# Altium PCB PA_8CH_CTRL.PcbDoc (part 3 of 3)
Units mil, origin at the board's own origin, x right, y up, seen from the top; angles counter-clockwise.
Board outline 10314.96 x 3582.68 mil, 2 copper layers (Top Layer, Bottom Layer); 762 components, 511 nets, 2388 pads, 40 vias.
Unrouted connection lines stored in the file: 1763.
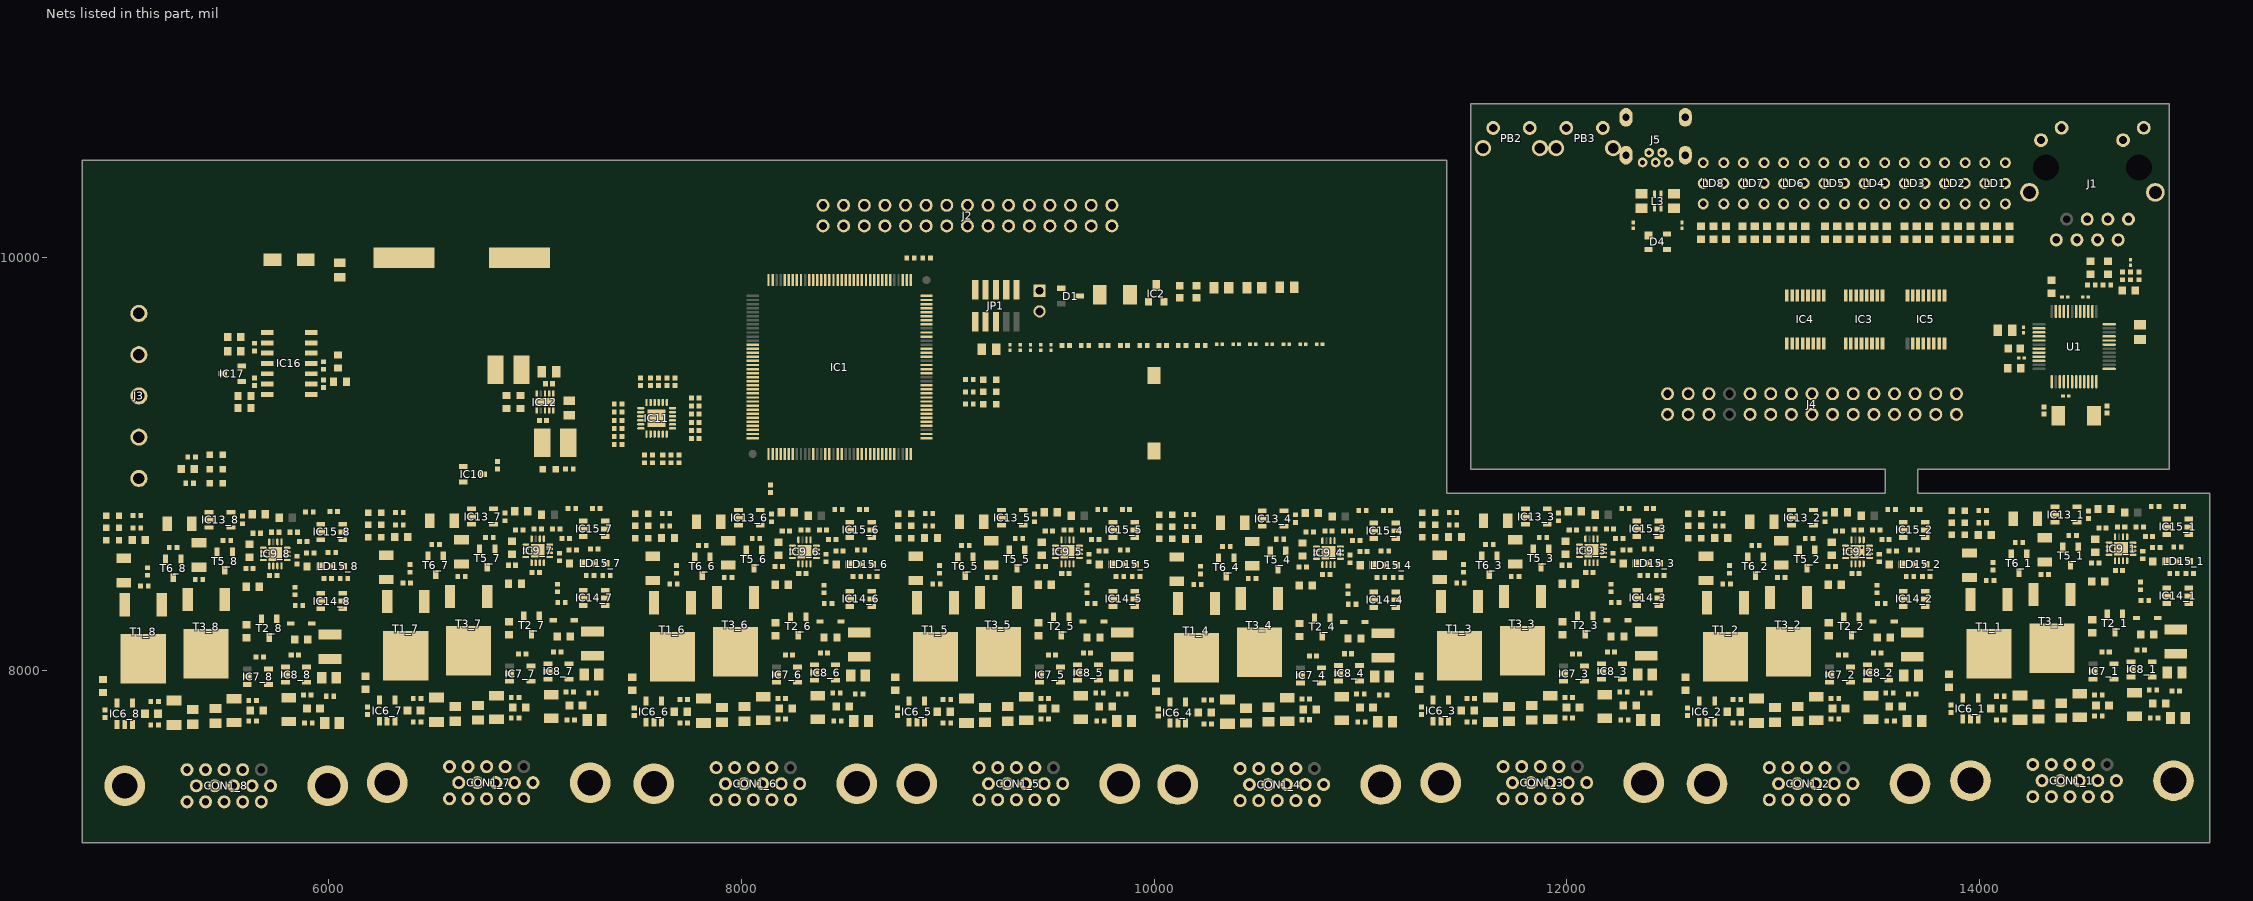
[diagram p3: the nets of this part, all layers, seen from the top]

## Part data (continued)
T2_1 T2_2 T2_3 T2_4 T2_5 T2_6 T2_7 T2_8 T5_1 T5_2 T5_3 T5_4 T5_5 T5_6 T5_7 T5_8 T6_1 T6_2 T6_3 T6_4 T6_5 T6_6 T6_7 T6_8: "N-CHANNEL MOSFET WITH DIODE"
U1: library part CMP-1775-00001-1, "Hardwired TCP/IP Embedded Ethernet Controller, 3.3 V, 25 MHz, -40 to 85 degC, 48-Pin LQFP, RoHS, Tray"
X1: library part X_CRYSTAL_SMD_5.0*3.2, "miniature crystal oscillator (Maritex)"

## Via types
v1: diameter 19.68, hole 11.81, Top Layer to Bottom Layer, 40 vias

## Nets (pads, with @x,y where several pads share a name; then routed paths per layer and width w, separated by ;. In a path a pad name is that pad's centre, name@x,y a point inside that pad or via, vN(x,y) a via of type N, cw(c..) or ccw(c..) an arc to the next point about the centre after c; other vN are vias at no path point)
ADC_IN0: CON1_8.5 IC1.34
ADC_IN1: CON1_8.10 IC1.35
ADC_IN2: CON1_7.5 IC1.36
ADC_IN3: CON1_7.10 IC1.37
ADC_IN4: CON1_6.5 IC1.18
ADC_IN5: CON1_6.10 IC1.19
ADC_IN6: CON1_5.5 IC1.20
ADC_IN7: CON1_5.10 IC1.21
ADC_IN8: CON1_4.5 IC1.22
ADC_IN9: CON1_4.10 IC1.13
ADC_IN10: CON1_3.5 IC1.26
ADC_IN11: CON1_3.10 IC1.27
ADC_IN12: CON1_2.5 IC1.28
ADC_IN13: CON1_2.10 IC1.29
ADC_IN14: CON1_1.5 IC1.14
ADC_IN15: CON1_1.10 IC1.15
ALERTN_CH0: IC1.77 IC9_8.2 LD15_8.1 R57_8.1
ALERTN_CH1: IC1.78 IC9_7.2 LD15_7.1 R57_7.1
ALERTN_CH2: IC1.79 IC9_6.2 LD15_6.1 R57_6.1
ALERTN_CH3: IC1.80 IC9_5.2 LD15_5.1 R57_5.1
ALERTN_CH4: IC1.81 IC9_4.2 LD15_4.1 R57_4.1
ALERTN_CH5: IC1.82 IC9_3.2 LD15_3.1 R57_3.1
ALERTN_CH6: IC1.85 IC9_2.2 LD15_2.1 R57_2.1
ALERTN_CH7: IC1.86 IC9_1.2 LD15_1.1 R57_1.1
EN_PWR_CH0: IC1.114 R85_8.2 R88_8.2
EN_PWR_CH1: IC1.115 R85_7.2 R88_7.2
EN_PWR_CH2: IC1.116 R85_6.2 R88_6.2
EN_PWR_CH3: IC1.117 R85_5.2 R88_5.2
EN_PWR_CH4: IC1.118 R85_4.2 R88_4.2
EN_PWR_CH5: IC1.119 R85_3.2 R88_3.2
EN_PWR_CH6: IC1.122 R85_2.2 R88_2.2
EN_PWR_CH7: IC1.123 R85_1.2 R88_1.2
GND: C1.2 C2.2 C3.2 C4.2 C5.2 C6.2 C7.2 C8.2 C9.2 C10.2 C11.2 C12.2 C13.2 C14.2 C15.2 C16.2 C17.1 C18.1 C21.1 C22.1 C23.2 C24.1 C25.2 C26.2 C27.2 C28.1 C29.2 C30.2 C31.2 C32_1.1 C32_2.1 C32_3.1 C32_4.1 C32_5.1 C32_6.1 C32_7.1 C32_8.1 C33_1.1 C33_2.1 C33_3.1 C33_4.1 C33_5.1 C33_6.1 C33_7.1 C33_8.1 C34_1.1 C34_2.1 C34_3.1 C34_4.1 C34_5.1 C34_6.1 C34_7.1 C34_8.1 C35_1.1 C35_2.1 C35_3.1 C35_4.1 C35_5.1 C35_6.1 C35_7.1 C35_8.1 C36_1.1 C36_2.1 C36_3.1 C36_4.1 C36_5.1 C36_6.1 C36_7.1 C36_8.1 C37_1.1 C37_2.1 C37_3.1 C37_4.1 C37_5.1 C37_6.1 C37_7.1 C37_8.1 C39_1.2 C39_2.2 C39_3.2 C39_4.2 C39_5.2 C39_6.2 C39_7.2 C39_8.2 C42_1.1 C42_2.1 C42_3.1 C42_4.1 C42_5.1 C42_6.1 C42_7.1 C42_8.1 C43_1.1 C43_2.1 C43_3.1 C43_4.1 C43_5.1 C43_6.1 C43_7.1 C43_8.1 C44_1.2 C44_2.2 C44_3.2 C44_4.2 C44_5.2 C44_6.2 C44_7.2 C44_8.2 C45_1.1 C45_2.1 C45_3.1 C45_4.1 C45_5.1 C45_6.1 C45_7.1 C45_8.1 C46_1.2 C46_2.2 C46_3.2 C46_4.2 C46_5.2 C46_6.2 C46_7.2 C46_8.2 C47_1.1 C47_2.1 C47_3.1 C47_4.1 C47_5.1 C47_6.1 C47_7.1 C47_8.1 C48_1.1 C48_2.1 C48_3.1 C48_4.1 C48_5.1 C48_6.1 C48_7.1 C48_8.1 C49_1.2 C49_2.2 C49_3.2 C49_4.2 C49_5.2 C49_6.2 C49_7.2 C49_8.2 C50_1.2 C50_2.2 C50_3.2 C50_4.2 C50_5.2 C50_6.2 C50_7.2 C50_8.2 C51_1.2 C51_2.2 C51_3.2 C51_4.2 C51_5.2 C51_6.2 C51_7.2 C51_8.2 C52.2 C53.2 C54.2 C55.1 C56.1 C57.1 C58.1 C59.2 C60_1.1 C60_2.1 C60_3.1 C60_4.1 C60_5.1 C60_6.1 C60_7.1 C60_8.1 C61.2 C62.1 C63.1 CON1_1.0 CON1_1.6 CON1_1.11 CON1_2.0 CON1_2.6 CON1_2.11 CON1_3.0 CON1_3.6 CON1_3.11 CON1_4.0 CON1_4.6 CON1_4.11 CON1_5.0 CON1_5.6 CON1_5.11 CON1_6.0 CON1_6.6 CON1_6.11 CON1_7.0 CON1_7.6 CON1_7.11 CON1_8.0 CON1_8.6 CON1_8.11 D4.1 IC1.16 IC1.31 IC1.38 IC1.51 IC1.61 IC1.83 IC1.94 IC1.107 IC1.120 IC1.130 IC2.1 IC3.8 IC4.8 IC5.8 IC6_1.2 IC6_2.2 IC6_3.2 IC6_4.2 IC6_5.2 IC6_6.2 IC6_7.2 IC6_8.2 IC7_1.2 IC7_2.2 IC7_3.2 IC7_4.2 IC7_5.2 IC7_6.2 IC7_7.2 IC7_8.2 IC8_1.2 IC8_2.2 IC8_3.2 IC8_4.2 IC8_5.2 IC8_6.2 IC8_7.2 IC8_8.2 IC9_1.6 IC9_1.8 IC9_1.17 IC9_2.6 IC9_2.8 IC9_2.17 IC9_3.6 IC9_3.8 IC9_3.17 IC9_4.6 IC9_4.8 IC9_4.17 IC9_5.6 IC9_5.8 IC9_5.17 IC9_6.6 IC9_6.8 IC9_6.17 IC9_7.6 IC9_7.8 IC9_7.17 IC9_8.6 IC9_8.8 IC9_8.17 IC10.3 IC11.9 IC11.25 IC12.1 IC12.6 IC12.11 IC13_1.1 IC13_2.1 IC13_3.1 IC13_4.1 IC13_5.1 IC13_6.1 IC13_7.1 IC13_8.1 IC14_1.2 IC14_2.2 IC14_3.2 IC14_4.2 IC14_5.2 IC14_6.2 IC14_7.2 IC14_8.2 IC15_1.2 IC15_2.2 IC15_3.2 IC15_4.2 IC15_5.2 IC15_6.2 IC15_7.2 IC15_8.2 IC16.11 IC16.12 IC17.3 J1.8 J1.9 J1.10 J2.1 J2.3 J2.5 J2.7 J2.9 J2.11 J2.13 J2.15 J2.25 J2.30 J3.2 J3.3 J4.1 J4.3 J4.5 J4.7 J4.9 J4.11 J4.13 J4.15 J4.25 J4.30 J5.5 J5.6 JP1.3 JP1.5 LD1.1 LD1.3 LD1.5 LD2.1 LD2.3 LD2.5 LD3.1 LD3.3 LD3.5 LD4.1 LD4.3 LD4.5 LD5.1 LD5.3 LD5.5 LD6.1 LD6.3 LD6.5 LD7.1 LD7.3 LD7.5 LD8.1 LD8.3 LD8.5 LD9.1 LD10.1 LD11.1 LD12_1.2 LD12_2.2 LD12_3.2 LD12_4.2 LD12_5.2 LD12_6.2 LD12_7.2 LD12_8.2 LD13_1.1 LD13_2.1 LD13_3.1 LD13_4.1 LD13_5.1 LD13_6.1 LD13_7.1 LD13_8.1 LD14_1.1 LD14_2.1 LD14_3.1 LD14_4.1 LD14_5.1 LD14_6.1 LD14_7.1 LD14_8.1 LD16.1 LD17.1 LD18.2 LD19.1 PB1.2 PB2.2 PB2.3 PB2.4 PB3.2 PB3.3 PB3.4 R2.1 R4.2 R10.2 R50_1.2 R50_2.2 R50_3.2 R50_4.2 R50_5.2 R50_6.2 R50_7.2 R50_8.2 R51_1.1 R51_2.1 R51_3.1 R51_4.1 R51_5.1 R51_6.1 R51_7.1 R51_8.1 R52_1.1 R52_2.1 R52_3.1 R52_4.1 R52_5.1 R52_6.1 R52_7.1 R52_8.1 R59_1.2 R59_2.2 R59_3.2 R59_4.2 R59_5.2 R59_6.2 R59_7.2 R59_8.2 R66.1 R67.1 R69.1 R82.1 R83.1 R85_1.1 R85_2.1 R85_3.1 R85_4.1 R85_5.1 R85_6.1 R85_7.1 R85_8.1 R90_1.1 R90_2.1 R90_3.1 R90_4.1 R90_5.1 R90_6.1 R90_7.1 R90_8.1 R95.2 R97.1 R99.1 T2_1.2 T2_2.2 T2_3.2 T2_4.2 T2_5.2 T2_6.2 T2_7.2 T2_8.2 T5_1.2 T5_2.2 T5_3.2 T5_4.2 T5_5.2 T5_6.2 T5_7.2 T5_8.2 T6_1.2 T6_2.2 T6_3.2 T6_4.2 T6_5.2 T6_6.2 T6_7.2 T6_8.2 U1.3 U1.9 U1.11 U1.14 U1.16 U1.19 U1.29 U1.48
  other v1: 13390.32,8555.32 13429.68,8555.32 13410,8575 13390.32,8594.68 13429.68,8594.68
I2C0_SCL: CON1_8.9 IC9_8.3 IC11.2 IC15_8.5 R63.1
I2C0_SDA: CON1_8.4 IC9_8.4 IC11.1 IC15_8.4 R61.1
I2C1_SCL: CON1_7.9 IC9_7.3 IC11.4 IC15_7.5 R65.1
I2C1_SDA: CON1_7.4 IC9_7.4 IC11.3 IC15_7.4 R64.1
I2C2_SCL: CON1_6.9 IC9_6.3 IC11.6 IC15_6.5 R70.1
I2C2_SDA: CON1_6.4 IC9_6.4 IC11.5 IC15_6.4 R68.1
I2C3_SCL: CON1_5.9 IC9_5.3 IC11.8 IC15_5.5 R72.1
I2C3_SDA: CON1_5.4 IC9_5.4 IC11.7 IC15_5.4 R71.1
I2C4_SCL: CON1_4.9 IC9_4.3 IC11.11 IC15_4.5 R74.1
I2C4_SDA: CON1_4.4 IC9_4.4 IC11.10 IC15_4.4 R73.1
I2C5_SCL: CON1_3.9 IC9_3.3 IC11.13 IC15_3.5 R76.1
I2C5_SDA: CON1_3.4 IC9_3.4 IC11.12 IC15_3.4 R75.1
I2C6_SCL: CON1_2.9 IC9_2.3 IC11.15 IC15_2.5 R78.1
I2C6_SDA: CON1_2.4 IC9_2.4 IC11.14 IC15_2.4 R77.1
I2C7_SCL: CON1_1.9 IC9_1.3 IC11.17 IC15_1.5 R80.1
I2C7_SDA: CON1_1.4 IC9_1.4 IC11.16 IC15_1.4 R79.1
I2C_SCL: IC1.136 IC11.19 J2.23 R62.2
I2C_SDA: IC1.137 IC11.20 J2.24 R60.2
INT: J4.12 U1.36
LED1: IC1.98 R101.1
LED2: IC1.99 R102.1
LED3: IC1.111 R103.1
LED_CS: IC3.12 IC4.12 IC5.12 J4.14
LED_GREEN_CH0: IC5.15 R13.1
LED_GREEN_CH1: IC5.1 R16.1
LED_GREEN_CH2: IC5.2 R19.1
LED_GREEN_CH3: IC5.3 R22.1
LED_GREEN_CH4: IC5.4 R25.1
LED_GREEN_CH5: IC5.5 R28.1
LED_GREEN_CH6: IC5.6 R31.1
LED_GREEN_CH7: IC5.7 R34.1
LED_OEN: IC3.13 IC4.13 IC5.13 J4.18
LED_RED_CH0: IC3.15 R15.1
LED_RED_CH1: IC3.1 R18.1
LED_RED_CH2: IC3.2 R21.1
LED_RED_CH3: IC3.3 R24.1
LED_RED_CH4: IC3.4 R27.1
LED_RED_CH5: IC3.5 R30.1
LED_RED_CH6: IC3.6 R33.1
LED_RED_CH7: IC3.7 R36.1
LED_SCK: IC3.11 IC4.11 IC5.11 J4.16
LED_SDI: IC3.14 J4.17
LED_YELLOW_CH0: IC4.15 R14.1
LED_YELLOW_CH1: IC4.1 R17.1
LED_YELLOW_CH2: IC4.2 R20.1
LED_YELLOW_CH3: IC4.3 R23.1
LED_YELLOW_CH4: IC4.4 R26.1
LED_YELLOW_CH5: IC4.5 R29.1
LED_YELLOW_CH6: IC4.6 R32.1
LED_YELLOW_CH7: IC4.7 R35.1
MEAS_I_N8V_1: C46_1.1 IC9_1.10 R55_1.2
MEAS_I_N8V_2: C46_2.1 IC9_2.10 R55_2.2
MEAS_I_N8V_3: C46_3.1 IC9_3.10 R55_3.2
MEAS_I_N8V_4: C46_4.1 IC9_4.10 R55_4.2
MEAS_I_N8V_5: C46_5.1 IC9_5.10 R55_5.2
MEAS_I_N8V_6: C46_6.1 IC9_6.10 R55_6.2
MEAS_I_N8V_7: C46_7.1 IC9_7.10 R55_7.2
MEAS_I_N8V_8: C46_8.1 IC9_8.10 R55_8.2
MEAS_I_P6V_1: C44_1.1 IC9_1.11 R53_1.2
MEAS_I_P6V_2: C44_2.1 IC9_2.11 R53_2.2
MEAS_I_P6V_3: C44_3.1 IC9_3.11 R53_3.2
MEAS_I_P6V_4: C44_4.1 IC9_4.11 R53_4.2
MEAS_I_P6V_5: C44_5.1 IC9_5.11 R53_5.2
MEAS_I_P6V_6: C44_6.1 IC9_6.11 R53_6.2
MEAS_I_P6V_7: C44_7.1 IC9_7.11 R53_7.2
MEAS_I_P6V_8: C44_8.1 IC9_8.11 R53_8.2
MEAS_I_P29V_1: C39_1.1 IC9_1.12 R45_1.2
MEAS_I_P29V_2: C39_2.1 IC9_2.12 R45_2.2
MEAS_I_P29V_3: C39_3.1 IC9_3.12 R45_3.2
MEAS_I_P29V_4: C39_4.1 IC9_4.12 R45_4.2
MEAS_I_P29V_5: C39_5.1 IC9_5.12 R45_5.2
MEAS_I_P29V_6: C39_6.1 IC9_6.12 R45_6.2
MEAS_I_P29V_7: C39_7.1 IC9_7.12 R45_7.2
MEAS_I_P29V_8: C39_8.1 IC9_8.12 R45_8.2
MEAS_P3V3MP_1: C49_1.1 IC9_1.9 R58_1.1 R59_1.1
MEAS_P3V3MP_2: C49_2.1 IC9_2.9 R58_2.1 R59_2.1
MEAS_P3V3MP_3: C49_3.1 IC9_3.9 R58_3.1 R59_3.1
MEAS_P3V3MP_4: C49_4.1 IC9_4.9 R58_4.1 R59_4.1
MEAS_P3V3MP_5: C49_5.1 IC9_5.9 R58_5.1 R59_5.1
MEAS_P3V3MP_6: C49_6.1 IC9_6.9 R58_6.1 R59_6.1
MEAS_P3V3MP_7: C49_7.1 IC9_7.9 R58_7.1 R59_7.1
MEAS_P3V3MP_8: C49_8.1 IC9_8.9 R58_8.1 R59_8.1
N8V0: C42_1.2 C42_2.2 C42_3.2 C42_4.2 C42_5.2 C42_6.2 C42_7.2 C42_8.2 IC13_1.2 IC13_2.2 IC13_3.2 IC13_4.2 IC13_5.2 IC13_6.2 IC13_7.2 IC13_8.2 J3.1 R91.2 R108.1
N8V0_CH_1: C33_1.2 CON1_1.12 R38_1.2 R47_1.2
N8V0_CH_2: C33_2.2 CON1_2.12 R38_2.2 R47_2.2
N8V0_CH_3: C33_3.2 CON1_3.12 R38_3.2 R47_3.2
N8V0_CH_4: C33_4.2 CON1_4.12 R38_4.2 R47_4.2
N8V0_CH_5: C33_5.2 CON1_5.12 R38_5.2 R47_5.2
N8V0_CH_6: C33_6.2 CON1_6.12 R38_6.2 R47_6.2
N8V0_CH_7: C33_7.2 CON1_7.12 R38_7.2 R47_7.2
N8V0_CH_8: C33_8.2 CON1_8.12 R38_8.2 R47_8.2
NetC1_1: C1.1 FB1.1 IC1.33
NetC2_1: C2.1 FB2.1 IC1.32
NetC3_1: C3.1 IC1.23 Q1.1
NetC4_1: C4.1 IC1.24 Q1.2
NetC17_2: C17.2 IC1.106
NetC18_2: C18.2 IC1.71
NetC19_2: C19.2 J1.4
NetC20_2: C20.2 J1.6
NetC21_2: C21.2 U1.30 X1.1
NetC22_2: C22.2 U1.31 X1.2
NetC23_1: C23.1 U1.20
NetC24_2: C24.2 U1.22
NetC25_1: C25.1 J1.2 R9.2
NetC28_2: C28.2 J1.5 R11.1 R12.1
NetC38_1_1: C38_1.1 IC6_1.4 R43_1.1
NetC38_1_2: C38_1.2 IC6_1.3 R44_1.1
NetC38_2_1: C38_2.1 IC6_2.4 R43_2.1
NetC38_2_2: C38_2.2 IC6_2.3 R44_2.1
NetC38_3_1: C38_3.1 IC6_3.4 R43_3.1
NetC38_3_2: C38_3.2 IC6_3.3 R44_3.1
NetC38_4_1: C38_4.1 IC6_4.4 R43_4.1
NetC38_4_2: C38_4.2 IC6_4.3 R44_4.1
NetC38_5_1: C38_5.1 IC6_5.4 R43_5.1
NetC38_5_2: C38_5.2 IC6_5.3 R44_5.1
NetC38_6_1: C38_6.1 IC6_6.4 R43_6.1
NetC38_6_2: C38_6.2 IC6_6.3 R44_6.1
NetC38_7_1: C38_7.1 IC6_7.4 R43_7.1
NetC38_7_2: C38_7.2 IC6_7.3 R44_7.1
NetC38_8_1: C38_8.1 IC6_8.4 R43_8.1
NetC38_8_2: C38_8.2 IC6_8.3 R44_8.1
NetC40_1_1: C40_1.1 IC8_1.3 R46_1.1
NetC40_1_2: C40_1.2 IC8_1.4 R47_1.1
NetC40_2_1: C40_2.1 IC8_2.3 R46_2.1
NetC40_2_2: C40_2.2 IC8_2.4 R47_2.1
NetC40_3_1: C40_3.1 IC8_3.3 R46_3.1
NetC40_3_2: C40_3.2 IC8_3.4 R47_3.1
NetC40_4_1: C40_4.1 IC8_4.3 R46_4.1
NetC40_4_2: C40_4.2 IC8_4.4 R47_4.1
NetC40_5_1: C40_5.1 IC8_5.3 R46_5.1
NetC40_5_2: C40_5.2 IC8_5.4 R47_5.1
NetC40_6_1: C40_6.1 IC8_6.3 R46_6.1
NetC40_6_2: C40_6.2 IC8_6.4 R47_6.1
NetC40_7_1: C40_7.1 IC8_7.3 R46_7.1
NetC40_7_2: C40_7.2 IC8_7.4 R47_7.1
NetC40_8_1: C40_8.1 IC8_8.3 R46_8.1
NetC40_8_2: C40_8.2 IC8_8.4 R47_8.1
NetC41_1_1: C41_1.1 IC7_1.4 R48_1.1
NetC41_1_2: C41_1.2 IC7_1.3 R49_1.1
NetC41_2_1: C41_2.1 IC7_2.4 R48_2.1
NetC41_2_2: C41_2.2 IC7_2.3 R49_2.1
NetC41_3_1: C41_3.1 IC7_3.4 R48_3.1
NetC41_3_2: C41_3.2 IC7_3.3 R49_3.1
NetC41_4_1: C41_4.1 IC7_4.4 R48_4.1
NetC41_4_2: C41_4.2 IC7_4.3 R49_4.1
NetC41_5_1: C41_5.1 IC7_5.4 R48_5.1
NetC41_5_2: C41_5.2 IC7_5.3 R49_5.1
NetC41_6_1: C41_6.1 IC7_6.4 R48_6.1
NetC41_6_2: C41_6.2 IC7_6.3 R49_6.1
NetC41_7_1: C41_7.1 IC7_7.4 R48_7.1
NetC41_7_2: C41_7.2 IC7_7.3 R49_7.1
NetC41_8_1: C41_8.1 IC7_8.4 R48_8.1
NetC41_8_2: C41_8.2 IC7_8.3 R49_8.1
NetC48_1_2: C48_1.2 IC9_1.14 R56_1.2
NetC48_2_2: C48_2.2 IC9_2.14 R56_2.2
NetC48_3_2: C48_3.2 IC9_3.14 R56_3.2
NetC48_4_2: C48_4.2 IC9_4.14 R56_4.2
NetC48_5_2: C48_5.2 IC9_5.14 R56_5.2
NetC48_6_2: C48_6.2 IC9_6.14 R56_6.2
NetC48_7_2: C48_7.2 IC9_7.14 R56_7.2
NetC48_8_2: C48_8.2 IC9_8.14 R56_8.2
NetC54_1: C54.1 C61.1 D3.1 L1.1
NetC57_2: C57.2 C58.2 IC12.2 IC12.3 L1.2
NetC62_2: C62.2 FB5.1 J4.29
NetC63_2: C63.2 D4.4 FB4.1 J4.26
NetCON1_1_14: CON1_1.14 R84_1.1 T2_1.3
NetCON1_2_14: CON1_2.14 R84_2.1 T2_2.3
NetCON1_3_14: CON1_3.14 R84_3.1 T2_3.3
NetCON1_4_14: CON1_4.14 R84_4.1 T2_4.3
NetCON1_5_14: CON1_5.14 R84_5.1 T2_5.3
NetCON1_6_14: CON1_6.14 R84_6.1 T2_6.3
NetCON1_7_14: CON1_7.14 R84_7.1 T2_7.3
NetCON1_8_14: CON1_8.14 R84_8.1 T2_8.3
NetD1_3: D1.3 IC2.2
NetD2_1_1: D2_1.1 D2_2.1 D2_3.1 D2_4.1 D2_5.1 D2_6.1 D2_7.1 D2_8.1 IC1.89 IC16.1 IC16.2 IC16.13 IC16.14 R92.2
NetD2_1_2: D2_1.2 IC14_1.3 R88_1.1
NetD2_2_2: D2_2.2 IC14_2.3 R88_2.1
NetD2_3_2: D2_3.2 IC14_3.3 R88_3.1
NetD2_4_2: D2_4.2 IC14_4.3 R88_4.1
NetD2_5_2: D2_5.2 IC14_5.3 R88_5.1
NetD2_6_2: D2_6.2 IC14_6.3 R88_6.1
NetD2_7_2: D2_7.2 IC14_7.3 R88_7.1
NetD2_8_2: D2_8.2 IC14_8.3 R88_8.1
NetD4_2: D4.2 J4.28 L3.4
NetD4_3: D4.3 J4.27 L3.1
NetFB4_2: FB4.2 J5.1
NetFB5_2: FB5.2 J5.4
NetIC1_40: IC1.40 J2.2
NetIC1_41: IC1.41 J2.4
NetIC1_42: IC1.42 J2.8
NetIC1_43: IC1.43 J2.6
NetIC1_48: IC1.48 R2.2
NetIC1_73: IC1.73 J2.14
NetIC1_74: IC1.74 J2.16
NetIC1_76: IC1.76 J2.17
NetIC1_90: IC1.90 J2.10
NetIC1_91: IC1.91 J2.12
NetIC1_101: IC1.101 R3.1
NetIC1_102: IC1.102 J2.29
NetIC1_103: IC1.103 J2.27
NetIC1_104: IC1.104 J2.28
NetIC1_138: IC1.138 JP2.2 R4.1
NetIC1_139: IC1.139 J2.18
NetIC1_143: IC1.143 R5.2
NetIC3_9: IC3.9 IC4.14
NetIC4_9: IC4.9 IC5.14
NetIC6_1_1: IC6_1.1 R45_1.1
NetIC6_2_1: IC6_2.1 R45_2.1
NetIC6_3_1: IC6_3.1 R45_3.1
NetIC6_4_1: IC6_4.1 R45_4.1
NetIC6_5_1: IC6_5.1 R45_5.1
NetIC6_6_1: IC6_6.1 R45_6.1
NetIC6_7_1: IC6_7.1 R45_7.1
NetIC6_8_1: IC6_8.1 R45_8.1
NetIC8_1_1: IC8_1.1 R55_1.1
NetIC8_2_1: IC8_2.1 R55_2.1
NetIC8_3_1: IC8_3.1 R55_3.1
NetIC8_4_1: IC8_4.1 R55_4.1
NetIC8_5_1: IC8_5.1 R55_5.1
NetIC8_6_1: IC8_6.1 R55_6.1
NetIC8_7_1: IC8_7.1 R55_7.1
NetIC8_8_1: IC8_8.1 R55_8.1
NetIC9_1_13: IC9_1.13 R56_1.1
NetIC9_2_13: IC9_2.13 R56_2.1
NetIC9_3_13: IC9_3.13 R56_3.1
NetIC9_4_13: IC9_4.13 R56_4.1
NetIC9_5_13: IC9_5.13 R56_5.1
NetIC9_6_13: IC9_6.13 R56_6.1
NetIC9_7_13: IC9_7.13 R56_7.1
NetIC9_8_13: IC9_8.13 R56_8.1
NetIC11_18: IC11.18 R66.2
NetIC11_22: IC11.22 R69.2
NetIC11_23: IC11.23 R67.2
NetIC12_5: IC12.5 R81.1 R82.2
NetIC12_9: IC12.9 L2.1
NetIC13_1_3: IC13_1.3 R54_1.2
NetIC13_1_4: IC13_1.4 R86_1.1 R87_1.2
NetIC13_1_5: IC13_1.5 R38_1.1 R46_1.2 R86_1.2 R104_1.1
NetIC13_2_3: IC13_2.3 R54_2.2
NetIC13_2_4: IC13_2.4 R86_2.1 R87_2.2
NetIC13_2_5: IC13_2.5 R38_2.1 R46_2.2 R86_2.2 R104_2.1
NetIC13_3_3: IC13_3.3 R54_3.2
NetIC13_3_4: IC13_3.4 R86_3.1 R87_3.2
NetIC13_3_5: IC13_3.5 R38_3.1 R46_3.2 R86_3.2 R104_3.1
NetIC13_4_3: IC13_4.3 R54_4.2
NetIC13_4_4: IC13_4.4 R86_4.1 R87_4.2
NetIC13_4_5: IC13_4.5 R38_4.1 R46_4.2 R86_4.2 R104_4.1
NetIC13_5_3: IC13_5.3 R54_5.2
NetIC13_5_4: IC13_5.4 R86_5.1 R87_5.2
NetIC13_5_5: IC13_5.5 R38_5.1 R46_5.2 R86_5.2 R104_5.1
NetIC13_6_3: IC13_6.3 R54_6.2
NetIC13_6_4: IC13_6.4 R86_6.1 R87_6.2
NetIC13_6_5: IC13_6.5 R38_6.1 R46_6.2 R86_6.2 R104_6.1
NetIC13_7_3: IC13_7.3 R54_7.2
NetIC13_7_4: IC13_7.4 R86_7.1 R87_7.2
NetIC13_7_5: IC13_7.5 R38_7.1 R46_7.2 R86_7.2 R104_7.1
NetIC13_8_3: IC13_8.3 R54_8.2
NetIC13_8_4: IC13_8.4 R86_8.1 R87_8.2
NetIC13_8_5: IC13_8.5 R38_8.1 R46_8.2 R86_8.2 R104_8.1
NetIC14_1_4: IC14_1.4 R52_1.2 T6_1.1
NetIC14_1_5: IC14_1.5 R51_1.2 T5_1.1
NetIC14_1_6: IC14_1.6 R54_1.1
NetIC14_2_4: IC14_2.4 R52_2.2 T6_2.1
NetIC14_2_5: IC14_2.5 R51_2.2 T5_2.1
NetIC14_2_6: IC14_2.6 R54_2.1
NetIC14_3_4: IC14_3.4 R52_3.2 T6_3.1
NetIC14_3_5: IC14_3.5 R51_3.2 T5_3.1
NetIC14_3_6: IC14_3.6 R54_3.1
NetIC14_4_4: IC14_4.4 R52_4.2 T6_4.1
NetIC14_4_5: IC14_4.5 R51_4.2 T5_4.1
NetIC14_4_6: IC14_4.6 R54_4.1
NetIC14_5_4: IC14_5.4 R52_5.2 T6_5.1
NetIC14_5_5: IC14_5.5 R51_5.2 T5_5.1
NetIC14_5_6: IC14_5.6 R54_5.1
NetIC14_6_4: IC14_6.4 R52_6.2 T6_6.1
NetIC14_6_5: IC14_6.5 R51_6.2 T5_6.1
NetIC14_6_6: IC14_6.6 R54_6.1
NetIC14_7_4: IC14_7.4 R52_7.2 T6_7.1
NetIC14_7_5: IC14_7.5 R51_7.2 T5_7.1
NetIC14_7_6: IC14_7.6 R54_7.1
NetIC14_8_4: IC14_8.4 R52_8.2 T6_8.1
NetIC14_8_5: IC14_8.5 R51_8.2 T5_8.1
NetIC14_8_6: IC14_8.6 R54_8.1
NetIC15_1_1: IC15_1.1 R87_1.1 R89_1.1
NetIC15_1_6: IC15_1.6 R90_1.2
NetIC15_2_1: IC15_2.1 R87_2.1 R89_2.1
NetIC15_2_6: IC15_2.6 R90_2.2
NetIC15_3_1: IC15_3.1 R87_3.1 R89_3.1
NetIC15_3_6: IC15_3.6 R90_3.2
NetIC15_4_1: IC15_4.1 R87_4.1 R89_4.1
NetIC15_4_6: IC15_4.6 R90_4.2
NetIC15_5_1: IC15_5.1 R87_5.1 R89_5.1
NetIC15_5_6: IC15_5.6 R90_5.2
NetIC15_6_1: IC15_6.1 R87_6.1 R89_6.1
NetIC15_6_6: IC15_6.6 R90_6.2
NetIC15_7_1: IC15_7.1 R87_7.1 R89_7.1
NetIC15_7_6: IC15_7.6 R90_7.2
NetIC15_8_1: IC15_8.1 R87_8.1 R89_8.1
NetIC15_8_6: IC15_8.6 R90_8.2
NetIC16_5: IC16.5 R94.2 R95.1
NetIC16_7: IC16.7 R96.1 R97.2
NetIC16_9: IC16.9 R98.1 R99.2
NetIC16_10: IC16.10 R91.1 R93.1
NetJ2_26: J2.26 R3.2
NetJ4_19: J4.19 PB2.1
NetJ4_20: J4.20 PB3.1
NetJ5_2: J5.2 L3.2
NetJ5_3: J5.3 L3.3
NetLD1_2: LD1.2 R13.2
NetLD1_4: LD1.4 R14.2
NetLD1_6: LD1.6 R15.2
NetLD2_2: LD2.2 R16.2
NetLD2_4: LD2.4 R17.2
NetLD2_6: LD2.6 R18.2
NetLD3_2: LD3.2 R19.2
NetLD3_4: LD3.4 R20.2
NetLD3_6: LD3.6 R21.2
NetLD4_2: LD4.2 R22.2
NetLD4_4: LD4.4 R23.2
NetLD4_6: LD4.6 R24.2
NetLD5_2: LD5.2 R25.2
NetLD5_4: LD5.4 R26.2
NetLD5_6: LD5.6 R27.2
NetLD6_2: LD6.2 R28.2
NetLD6_4: LD6.4 R29.2
NetLD6_6: LD6.6 R30.2
NetLD7_2: LD7.2 R31.2
NetLD7_4: LD7.4 R32.2
NetLD7_6: LD7.6 R33.2
NetLD8_2: LD8.2 R34.2
NetLD8_4: LD8.4 R35.2
NetLD8_6: LD8.6 R36.2
NetLD9_2: LD9.2 R101.2
NetLD10_2: LD10.2 R102.2
NetLD11_2: LD11.2 R103.2
NetLD12_1_1: LD12_1.1 R104_1.2
NetLD12_2_1: LD12_2.1 R104_2.2
NetLD12_3_1: LD12_3.1 R104_3.2
NetLD12_4_1: LD12_4.1 R104_4.2
NetLD12_5_1: LD12_5.1 R104_5.2
NetLD12_6_1: LD12_6.1 R104_6.2
NetLD12_7_1: LD12_7.1 R104_7.2
NetLD12_8_1: LD12_8.1 R104_8.2
NetLD13_1_2: LD13_1.2 R105_1.1
NetLD13_2_2: LD13_2.2 R105_2.1
NetLD13_3_2: LD13_3.2 R105_3.1
NetLD13_4_2: LD13_4.2 R105_4.1
NetLD13_5_2: LD13_5.2 R105_5.1
NetLD13_6_2: LD13_6.2 R105_6.1
NetLD13_7_2: LD13_7.2 R105_7.1
NetLD13_8_2: LD13_8.2 R105_8.1
NetLD14_1_2: LD14_1.2 R106_1.2
NetLD14_2_2: LD14_2.2 R106_2.2
NetLD14_3_2: LD14_3.2 R106_3.2
NetLD14_4_2: LD14_4.2 R106_4.2
NetLD14_5_2: LD14_5.2 R106_5.2
NetLD14_6_2: LD14_6.2 R106_6.2
NetLD14_7_2: LD14_7.2 R106_7.2
NetLD14_8_2: LD14_8.2 R106_8.2
NetLD15_1_2: LD15_1.2 R107_1.1
NetLD15_2_2: LD15_2.2 R107_2.1
NetLD15_3_2: LD15_3.2 R107_3.1
NetLD15_4_2: LD15_4.2 R107_4.1
NetLD15_5_2: LD15_5.2 R107_5.1
NetLD15_6_2: LD15_6.2 R107_6.1
NetLD15_7_2: LD15_7.2 R107_7.1
NetLD15_8_2: LD15_8.2 R107_8.1
NetLD16_2: LD16.2 R109.2
NetLD17_2: LD17.2 R110.1
NetLD18_1: LD18.1 R108.2
NetLD19_2: LD19.2 R111.1
NetR10_1: R10.1 U1.10
NetR37_1_2: R37_1.2 R44_1.2 R105_1.2 T1_1.3
NetR37_2_2: R37_2.2 R44_2.2 R105_2.2 T1_2.3
NetR37_3_2: R37_3.2 R44_3.2 R105_3.2 T1_3.3
NetR37_4_2: R37_4.2 R44_4.2 R105_4.2 T1_4.3
NetR37_5_2: R37_5.2 R44_5.2 R105_5.2 T1_5.3
NetR37_6_2: R37_6.2 R44_6.2 R105_6.2 T1_6.3
NetR37_7_2: R37_7.2 R44_7.2 R105_7.2 T1_7.3
NetR37_8_2: R37_8.2 R44_8.2 R105_8.2 T1_8.3
NetR39_1_2: R39_1.2 R49_1.2 R106_1.1 T3_1.3
NetR39_2_2: R39_2.2 R49_2.2 R106_2.1 T3_2.3
NetR39_3_2: R39_3.2 R49_3.2 R106_3.1 T3_3.3
NetR39_4_2: R39_4.2 R49_4.2 R106_4.1 T3_4.3
NetR39_5_2: R39_5.2 R49_5.2 R106_5.1 T3_5.3
NetR39_6_2: R39_6.2 R49_6.2 R106_6.1 T3_6.3
NetR39_7_2: R39_7.2 R49_7.2 R106_7.1 T3_7.3
NetR39_8_2: R39_8.2 R49_8.2 R106_8.1 T3_8.3
NetR40_1_1: R40_1.1 R41_1.2 T1_1.1
NetR40_2_1: R40_2.1 R41_2.2 T1_2.1
NetR40_3_1: R40_3.1 R41_3.2 T1_3.1
NetR40_4_1: R40_4.1 R41_4.2 T1_4.1
NetR40_5_1: R40_5.1 R41_5.2 T1_5.1
NetR40_6_1: R40_6.1 R41_6.2 T1_6.1
NetR40_7_1: R40_7.1 R41_7.2 T1_7.1
NetR40_8_1: R40_8.1 R41_8.2 T1_8.1
NetR41_1_1: R41_1.1 T2_1.1 T6_1.3
NetR41_2_1: R41_2.1 T2_2.1 T6_2.3
NetR41_3_1: R41_3.1 T2_3.1 T6_3.3
NetR41_4_1: R41_4.1 T2_4.1 T6_4.3
NetR41_5_1: R41_5.1 T2_5.1 T6_5.3
NetR41_6_1: R41_6.1 T2_6.1 T6_6.3
NetR41_7_1: R41_7.1 T2_7.1 T6_7.3
NetR41_8_1: R41_8.1 T2_8.1 T6_8.3
NetR42_1_2: R42_1.2 T3_1.1 T5_1.3
NetR42_2_2: R42_2.2 T3_2.1 T5_2.3
NetR42_3_2: R42_3.2 T3_3.1 T5_3.3
NetR42_4_2: R42_4.2 T3_4.1 T5_4.3
NetR42_5_2: R42_5.2 T3_5.1 T5_5.3
NetR42_6_2: R42_6.2 T3_6.1 T5_6.3
NetR42_7_2: R42_7.2 T3_7.1 T5_7.3
NetR42_8_2: R42_8.2 T3_8.1 T5_8.3
P1V25_REF: IC16.4 IC16.6 IC16.8 IC17.1 IC17.2 R93.2 R100.1
P2V5_REF: C51_1.1 C51_2.1 C51_3.1 C51_4.1 C51_5.1 C51_6.1 C51_7.1 C51_8.1 C52.1 FB2.2 IC9_1.15 IC9_2.15 IC9_3.15 IC9_4.15 IC9_5.15 IC9_6.15 IC9_7.15 IC9_8.15 IC10.2
P3V3: C5.1 C6.1 C7.1 C8.1 C9.1 C10.1 C11.1 C12.1 C13.1 C14.1 C15.1 C16.1 C43_1.2 C43_2.2 C43_3.2 C43_4.2 C43_5.2 C43_6.2 C43_7.2 C43_8.2 C45_1.2 C45_2.2 C45_3.2 C45_4.2 C45_5.2 C45_6.2 C45_7.2 C45_8.2 C47_1.2 C47_2.2 C47_3.2 C47_4.2 C47_5.2 C47_6.2 C47_7.2 C47_8.2 C50_1.1 C50_2.1 C50_3.1 C50_4.1 C50_5.1 C50_6.1 C50_7.1 C50_8.1 C53.1 C55.2 C56.2 C59.1 C60_1.2 C60_2.2 C60_3.2 C60_4.2 C60_5.2 C60_6.2 C60_7.2 C60_8.2 F1_1.1 F1_2.1 F1_3.1 F1_4.1 F1_5.1 F1_6.1 F1_7.1 F1_8.1 FB1.2 FB3.1 IC1.17 IC1.30 IC1.39 IC1.52 IC1.62 IC1.72 IC1.84 IC1.95 IC1.108 IC1.121 IC1.131 IC1.144 IC2.3 IC3.10 IC3.16 IC4.10 IC4.16 IC5.10 IC5.16 IC6_1.5 IC6_2.5 IC6_3.5 IC6_4.5 IC6_5.5 IC6_6.5 IC6_7.5 IC6_8.5 IC7_1.5 IC7_2.5 IC7_3.5 IC7_4.5 IC7_5.5 IC7_6.5 IC7_7.5 IC7_8.5 IC8_1.5 IC8_2.5 IC8_3.5 IC8_4.5 IC8_5.5 IC8_6.5 IC8_7.5 IC8_8.5 IC9_1.5 IC9_1.16 IC9_2.5 IC9_2.16 IC9_3.5 IC9_3.16 IC9_4.5 IC9_4.16 IC9_5.5 IC9_5.16 IC9_6.5 IC9_6.16 IC9_7.5 IC9_7.16 IC9_8.5 IC9_8.16 IC10.1 IC11.21 IC11.24 IC12.8 IC12.10 IC14_1.1 IC14_2.1 IC14_3.1 IC14_4.1 IC14_5.1 IC14_6.1 IC14_7.1 IC14_8.1 IC15_1.3 IC15_2.3 IC15_3.3 IC15_4.3 IC15_5.3 IC15_6.3 IC15_7.3 IC15_8.3 IC16.3 J1.D1 J1.D3 J2.21 J2.22 J4.21 J4.22 JP1.1 JP2.1 L2.2 R1.1 R5.1 R6.1 R57_1.2 R57_2.2 R57_3.2 R57_4.2 R57_5.2 R57_6.2 R57_7.2 R57_8.2 R60.1 R61.2 R62.1 R63.2 R64.2 R65.2 R68.2 R70.2 R71.2 R72.2 R73.2 R74.2 R75.2 R76.2 R77.2 R78.2 R79.2 R80.2 R81.2 R89_1.2 R89_2.2 R89_3.2 R89_4.2 R89_5.2 R89_6.2 R89_7.2 R89_8.2 R92.1 R94.1 R100.2 R107_1.2 R107_2.2 R107_3.2 R107_4.2 R107_5.2 R107_6.2 R107_7.2 R107_8.2 R111.2 R112.2 R113.2 U1.28 U1.43 U1.44 U1.45
P3V3A: C26.1 C27.1 C29.1 C30.1 C31.1 FB3.2 R7.2 R8.2 R9.1 U1.4 U1.8 U1.15 U1.17 U1.21
P3V3MP_1: C34_1.2 CON1_1.13 F1_1.2 R58_1.2
P3V3MP_2: C34_2.2 CON1_2.13 F1_2.2 R58_2.2
P3V3MP_3: C34_3.2 CON1_3.13 F1_3.2 R58_3.2
P3V3MP_4: C34_4.2 CON1_4.13 F1_4.2 R58_4.2
P3V3MP_5: C34_5.2 CON1_5.13 F1_5.2 R58_5.2
P3V3MP_6: C34_6.2 CON1_6.13 F1_6.2 R58_6.2
P3V3MP_7: C34_7.2 CON1_7.13 F1_7.2 R58_7.2
P3V3MP_8: C34_8.2 CON1_8.13 F1_8.2 R58_8.2
P6V0: C35_1.2 C35_2.2 C35_3.2 C35_4.2 C35_5.2 C35_6.2 C35_7.2 C35_8.2 D3.2 J3.4 R42_1.1 R42_2.1 R42_3.1 R42_4.1 R42_5.1 R42_6.1 R42_7.1 R42_8.1 R98.2 R109.1 T3_1.2 T3_2.2 T3_3.2 T3_4.2 T3_5.2 T3_6.2 T3_7.2 T3_8.2
P6V0_CH_1: C36_1.2 CON1_1.7 R39_1.1 R48_1.2
P6V0_CH_2: C36_2.2 CON1_2.7 R39_2.1 R48_2.2
P6V0_CH_3: C36_3.2 CON1_3.7 R39_3.1 R48_3.2
P6V0_CH_4: C36_4.2 CON1_4.7 R39_4.1 R48_4.2
P6V0_CH_5: C36_5.2 CON1_5.7 R39_5.1 R48_5.2
P6V0_CH_6: C36_6.2 CON1_6.7 R39_6.1 R48_6.2
P6V0_CH_7: C36_7.2 CON1_7.7 R39_7.1 R48_7.2
P6V0_CH_8: C36_8.2 CON1_8.7 R39_8.1 R48_8.2
P29V0: C32_1.2 C32_2.2 C32_3.2 C32_4.2 C32_5.2 C32_6.2 C32_7.2 C32_8.2 J3.5 R40_1.2 R40_2.2 R40_3.2 R40_4.2 R40_5.2 R40_6.2 R40_7.2 R40_8.2 R96.2 R110.2 T1_1.2 T1_2.2 T1_3.2 T1_4.2 T1_5.2 T1_6.2 T1_7.2 T1_8.2
P29V0_CH_1: C37_1.2 CON1_1.2 CON1_1.8 R37_1.1 R43_1.2
P29V0_CH_2: C37_2.2 CON1_2.2 CON1_2.8 R37_2.1 R43_2.2
P29V0_CH_3: C37_3.2 CON1_3.2 CON1_3.8 R37_3.1 R43_3.2
P29V0_CH_4: C37_4.2 CON1_4.2 CON1_4.8 R37_4.1 R43_4.2
P29V0_CH_5: C37_5.2 CON1_5.2 CON1_5.8 R37_5.1 R43_5.2
P29V0_CH_6: C37_6.2 CON1_6.2 CON1_6.8 R37_6.1 R43_6.2
P29V0_CH_7: C37_7.2 CON1_7.2 CON1_7.8 R37_7.1 R43_7.2
P29V0_CH_8: C37_8.2 CON1_8.2 CON1_8.8 R37_8.1 R43_8.2
PA_CH_RESETN: IC1.140 IC9_1.1 IC9_2.1 IC9_3.1 IC9_4.1 IC9_5.1 IC9_6.1 IC9_7.1 IC9_8.1
PA_SIG_GND: CON1_1.15 CON1_2.15 CON1_3.15 CON1_4.15 CON1_5.15 CON1_6.15 CON1_7.15 CON1_8.15 R83.2
PWR_CH_OVL0: CON1_8.3 IC1.59
PWR_CH_OVL1: CON1_7.3 IC1.60
PWR_CH_OVL2: CON1_6.3 IC1.63
PWR_CH_OVL3: CON1_5.3 IC1.64
PWR_CH_OVL4: CON1_4.3 IC1.65
PWR_CH_OVL5: CON1_3.3 IC1.66
PWR_CH_OVL6: CON1_2.3 IC1.67
PWR_CH_OVL7: CON1_1.3 IC1.68
RESETN: J4.10 U1.37
RJ45_GRN: J1.D2 U1.27
RJ45_RX_N: C20.1 R12.2 U1.5
RJ45_RX_P: C19.1 R11.2 U1.6
RJ45_TX_N: J1.3 R7.1
RJ45_TX_P: J1.1 R8.1 U1.2
RJ45_YEL: J1.D4 U1.25
RST: D1.1 IC1.25 IC1.134 JP1.10 PB1.1 R6.2
SIG_ON_CH0: IC1.93 R50_8.1 R84_8.2
SIG_ON_CH1: IC1.124 R50_7.1 R84_7.2
SIG_ON_CH2: IC1.125 R50_6.1 R84_6.2
SIG_ON_CH3: IC1.126 R50_5.1 R84_5.2
SIG_ON_CH4: IC1.127 R50_4.1 R84_4.2
SIG_ON_CH5: IC1.128 R50_3.1 R84_3.2
SIG_ON_CH6: IC1.129 R50_2.1 R84_2.2
SIG_ON_CH7: IC1.132 R50_1.1 R84_1.2
SPI1_MISO: J4.8 U1.34
SPI1_MOSI: J4.6 U1.35
SPI1_NSS: J4.2 U1.32
SPI1_SCK: J4.4 U1.33
SWCLK: IC1.109 JP1.4
SWDIO: IC1.105 JP1.2
SWN1: IC1.54 J2.19 R112.1
SWN2: IC1.55 J2.20 R113.1
TDI: IC1.110 JP1.8 R1.2
TDO: IC1.133 JP1.6
pads on no net: CON1_1.1 CON1_2.1 CON1_3.1 CON1_4.1 CON1_5.1 CON1_6.1 CON1_7.1 CON1_8.1 D1.2 IC1.1 IC1.2 IC1.3 IC1.4 IC1.5 IC1.6 IC1.7 IC1.8 IC1.9 IC1.10 IC1.11 IC1.12 IC1.44 IC1.45 IC1.46 IC1.47 IC1.49 IC1.50 IC1.53 IC1.56 IC1.57 IC1.58 IC1.69 IC1.70 IC1.75 IC1.87 IC1.88 IC1.92 IC1.96 IC1.97 IC1.100 IC1.112 IC1.113 IC1.135 IC1.141 IC1.142 IC1.FTG1 IC1.FTG2 IC5.9 IC7_1.1 IC7_2.1 IC7_3.1 IC7_4.1 IC7_5.1 IC7_6.1 IC7_7.1 IC7_8.1 IC9_1.7 IC9_2.7 IC9_3.7 IC9_4.7 IC9_5.7 IC9_6.7 IC9_7.7 IC9_8.7 IC12.4 IC12.7 J1.7 J1.M1 J1.M2 J4.23 J4.24 JP1.7 JP1.9 R53_1.1 R53_2.1 R53_3.1 R53_4.1 R53_5.1 R53_6.1 R53_7.1 R53_8.1 U1.1 U1.7 U1.12 U1.13 U1.18 U1.23 U1.24 U1.26 U1.38 U1.39 U1.40 U1.41 U1.42 U1.46 U1.47
copper on no net:
  other v1: 5720.31,8545.32 5759.69,8545.32 10825.32,8551.26 10864.68,8551.26 8285.32,8555.32 8324.68,8555.32 9560.32,8555.32 9599.68,8555.32 6992.6,8560.32 7031.97,8560.32 12100.32,8560.32 12139.68,8560.32 5740,8565 14667.6,8570.32 14706.97,8570.32 10845,8570.94 8305,8575 9580,8575 7012.28,8580 12120,8580 5720.31,8584.68 5759.69,8584.68 14687.28,8590 10825.32,8590.63 10864.68,8590.63 8285.32,8594.68 8324.68,8594.68 9560.32,8594.68 9599.68,8594.68 6992.6,8599.68 7031.97,8599.68 12100.32,8599.68 12139.68,8599.68 14667.6,8609.68 14706.97,8609.68

## Silkscreen, mask and mechanical layers (free items; w line width, h text height)
Mechanical 1:
  lines w20: 4803.15,7165.35 15118.11,7165.35 15118.11,8858.27 13700.79,8858.27 13700.79,8976.38 14921.26,8976.38 14921.26,10748.03 11535.43,10748.03 11535.43,8976.38 13543.31,8976.38 13543.31,8858.27 11417.32,8858.27 11417.32,10472.44 10866.14,10472.44 4803.15,10472.44 4803.15,7165.35

## Text inside footprints (layer, text, board x,y; h text height)
J2: Top Overlay "30" at 8420,10100 h40 r180; Mechanical 14 "30" at 8420,10100 h40 r180
J3: Top Overlay "5" at 5020.28,9715.55 h47.24 r90; Top Overlay "1" at 5020.28,8926.38 h47.24 r90; Mechanical 14 "5" at 5020.28,9715.55 h47.24 r90; Mechanical 14 "1" at 5020.28,8926.38 h47.24 r90
J4: Top Overlay "30" at 12513.98,9186.34 h40 r180; Mechanical 14 "30" at 12513.98,9186.34 h40 r180
LD1: Top Overlay "A" at 14006.57,10219.41 h39.37 r270; Top Overlay "C" at 14106.57,10219.41 h39.37 r270; Mechanical 14 "A" at 14005.71,10219.61 h39.37 r270; Mechanical 14 "C" at 14108.07,10219.61 h39.37 r270
LD2: Top Overlay "A" at 13811.57,10219.41 h39.37 r270; Top Overlay "C" at 13911.57,10219.41 h39.37 r270; Mechanical 14 "A" at 13810.71,10219.61 h39.37 r270; Mechanical 14 "C" at 13913.07,10219.61 h39.37 r270
LD3: Top Overlay "A" at 13616.57,10219.41 h39.37 r270; Top Overlay "C" at 13716.57,10219.41 h39.37 r270; Mechanical 14 "A" at 13615.71,10219.61 h39.37 r270; Mechanical 14 "C" at 13718.07,10219.61 h39.37 r270
LD4: Top Overlay "A" at 13421.57,10219.41 h39.37 r270; Top Overlay "C" at 13521.57,10219.41 h39.37 r270; Mechanical 14 "A" at 13420.71,10219.61 h39.37 r270; Mechanical 14 "C" at 13523.07,10219.61 h39.37 r270
LD5: Top Overlay "A" at 13226.57,10219.41 h39.37 r270; Top Overlay "C" at 13326.57,10219.41 h39.37 r270; Mechanical 14 "A" at 13225.71,10219.61 h39.37 r270; Mechanical 14 "C" at 13328.07,10219.61 h39.37 r270
LD6: Top Overlay "A" at 13031.57,10219.41 h39.37 r270; Top Overlay "C" at 13131.57,10219.41 h39.37 r270; Mechanical 14 "A" at 13030.71,10219.61 h39.37 r270; Mechanical 14 "C" at 13133.07,10219.61 h39.37 r270
LD7: Top Overlay "A" at 12836.57,10219.41 h39.37 r270; Top Overlay "C" at 12936.57,10219.41 h39.37 r270; Mechanical 14 "A" at 12835.71,10219.61 h39.37 r270; Mechanical 14 "C" at 12938.07,10219.61 h39.37 r270
LD8: Top Overlay "A" at 12641.57,10219.41 h39.37 r270; Top Overlay "C" at 12741.57,10219.41 h39.37 r270; Mechanical 14 "A" at 12640.71,10219.61 h39.37 r270; Mechanical 14 "C" at 12743.07,10219.61 h39.37 r270